# Altium PCB PCB_VHDCI_breakout.PCBDOC (part 1 of 6)
Units mm, origin at the board's own origin, x right, y up, seen from the top; angles counter-clockwise.
Board outline 159.99 x 100 mm, 4 copper layers (TopLayer, Internal Plane 1, Internal Plane 2, BottomLayer), stack 1.622 mm thick; 81 components, 168 nets, 660 pads, 330 vias.
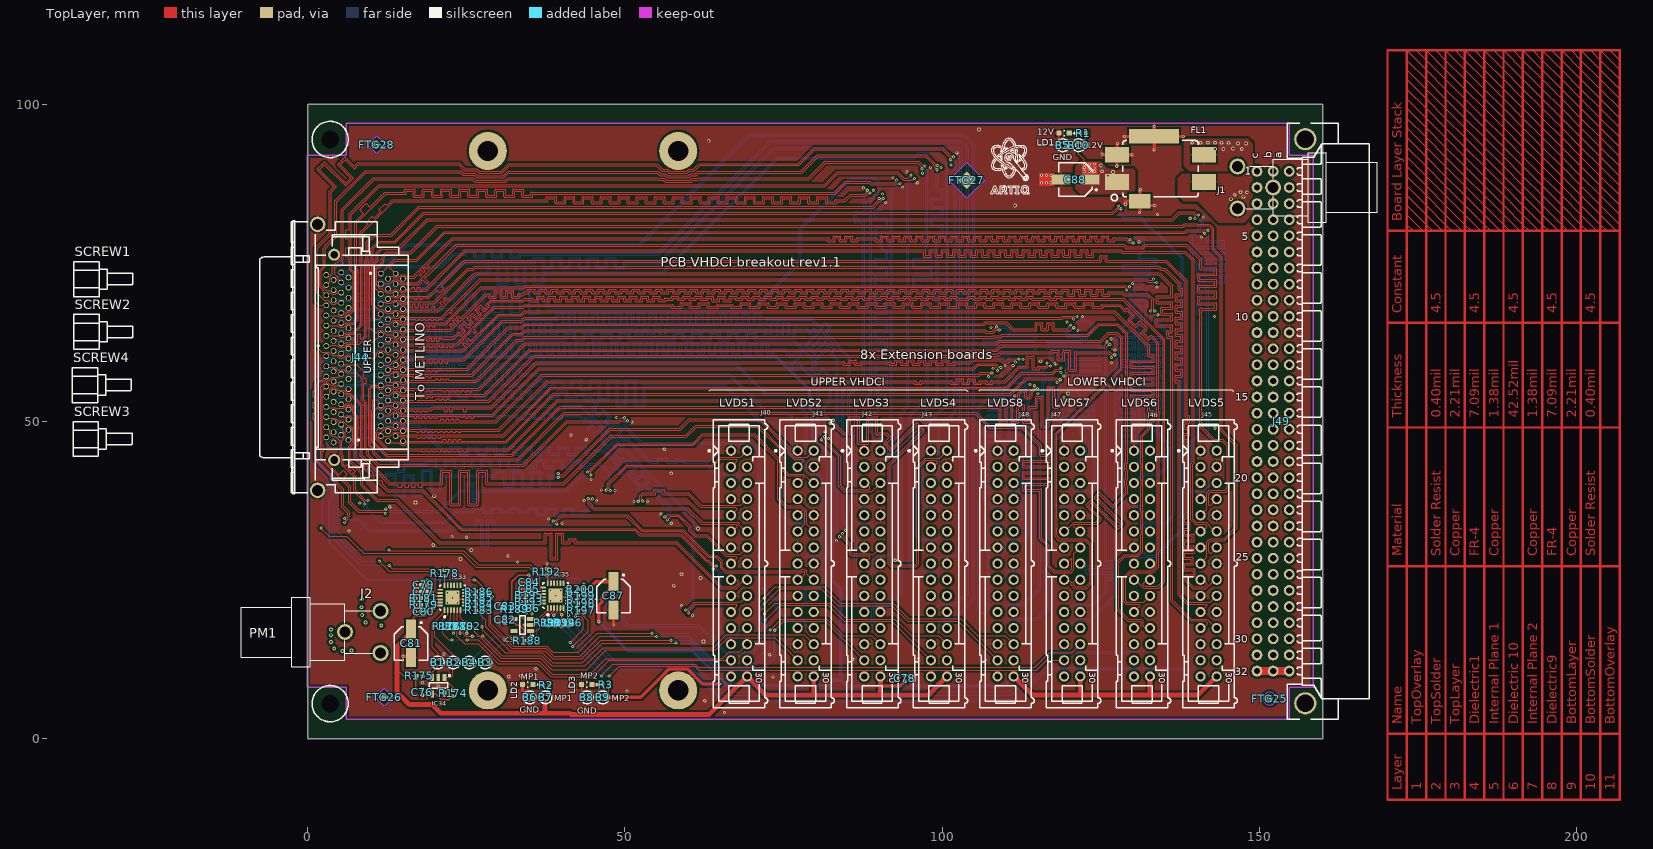
[diagram p0: TopLayer view]
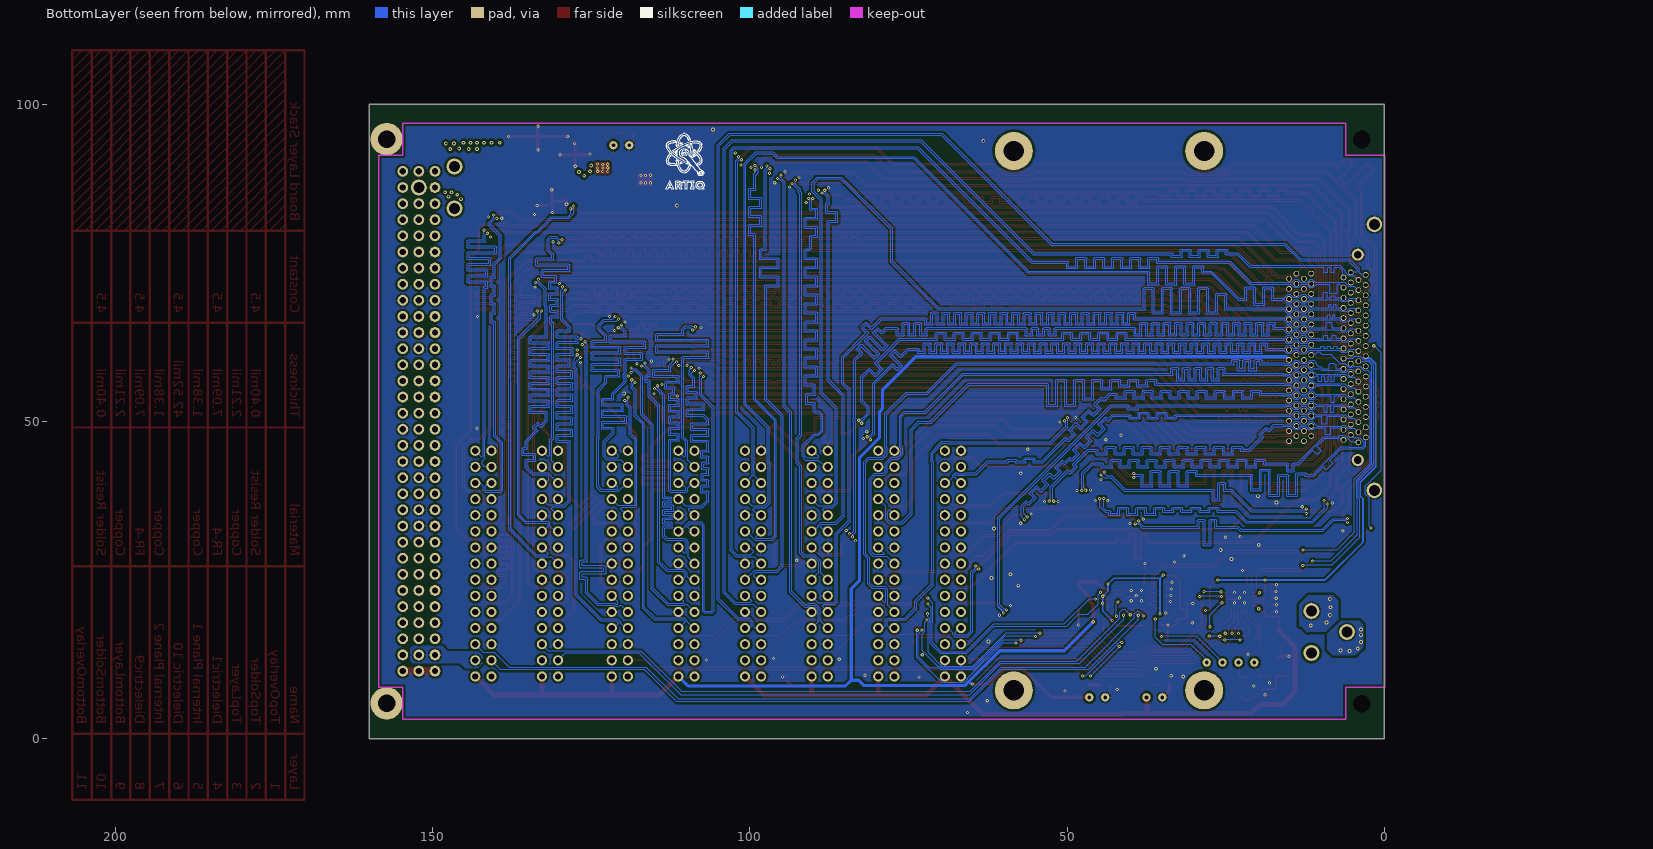
[diagram p1: BottomLayer view, seen from below]
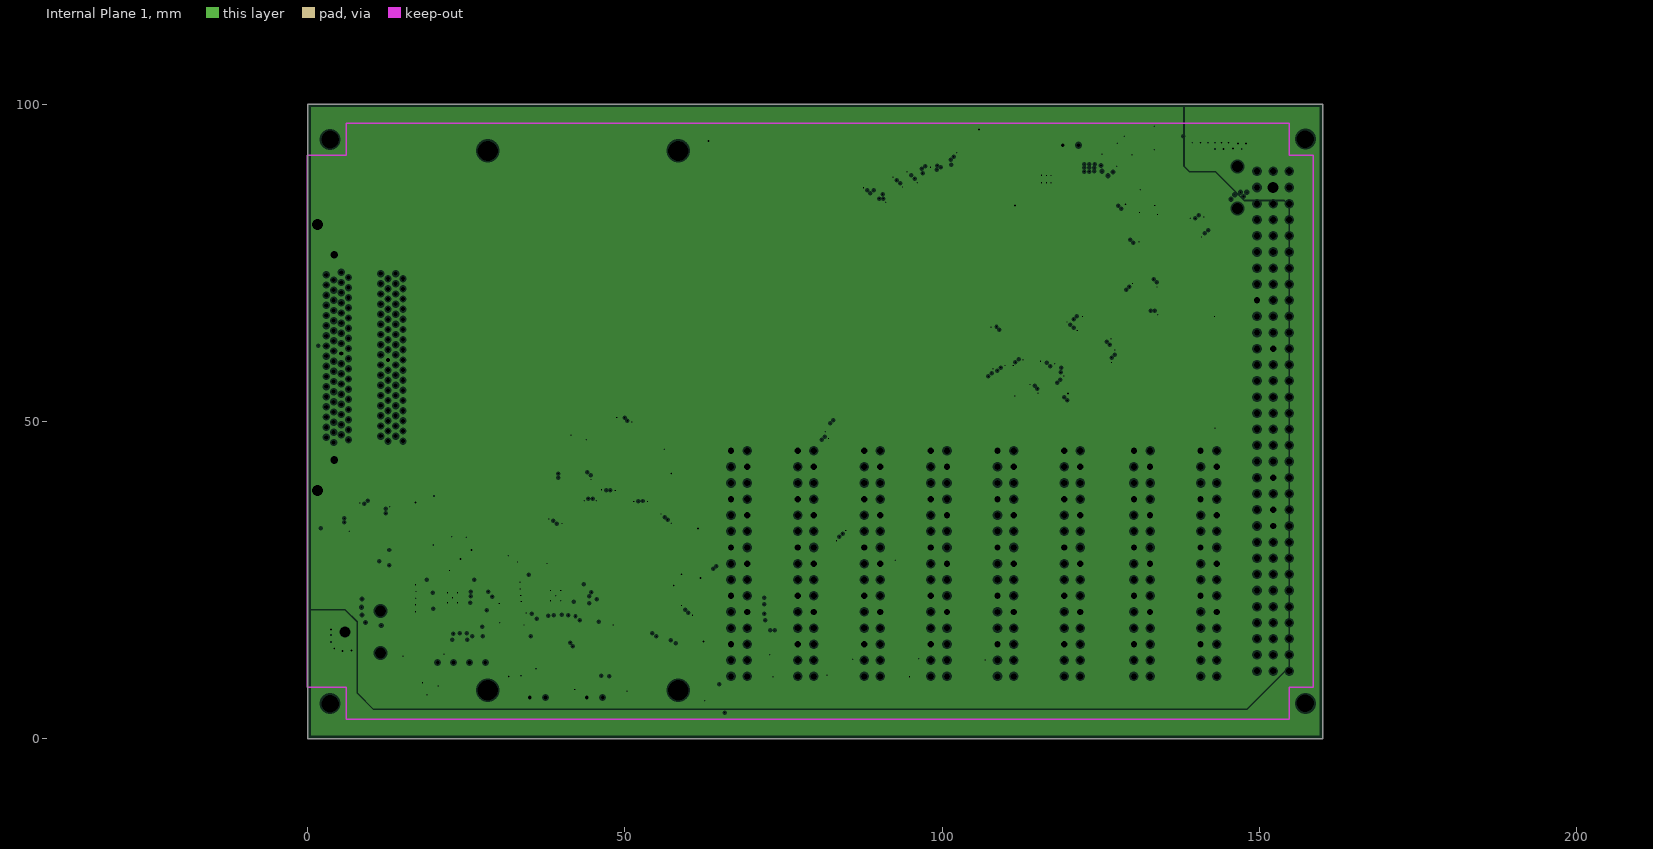
[diagram p2: Internal Plane 1, clearances drawn from the general rule]
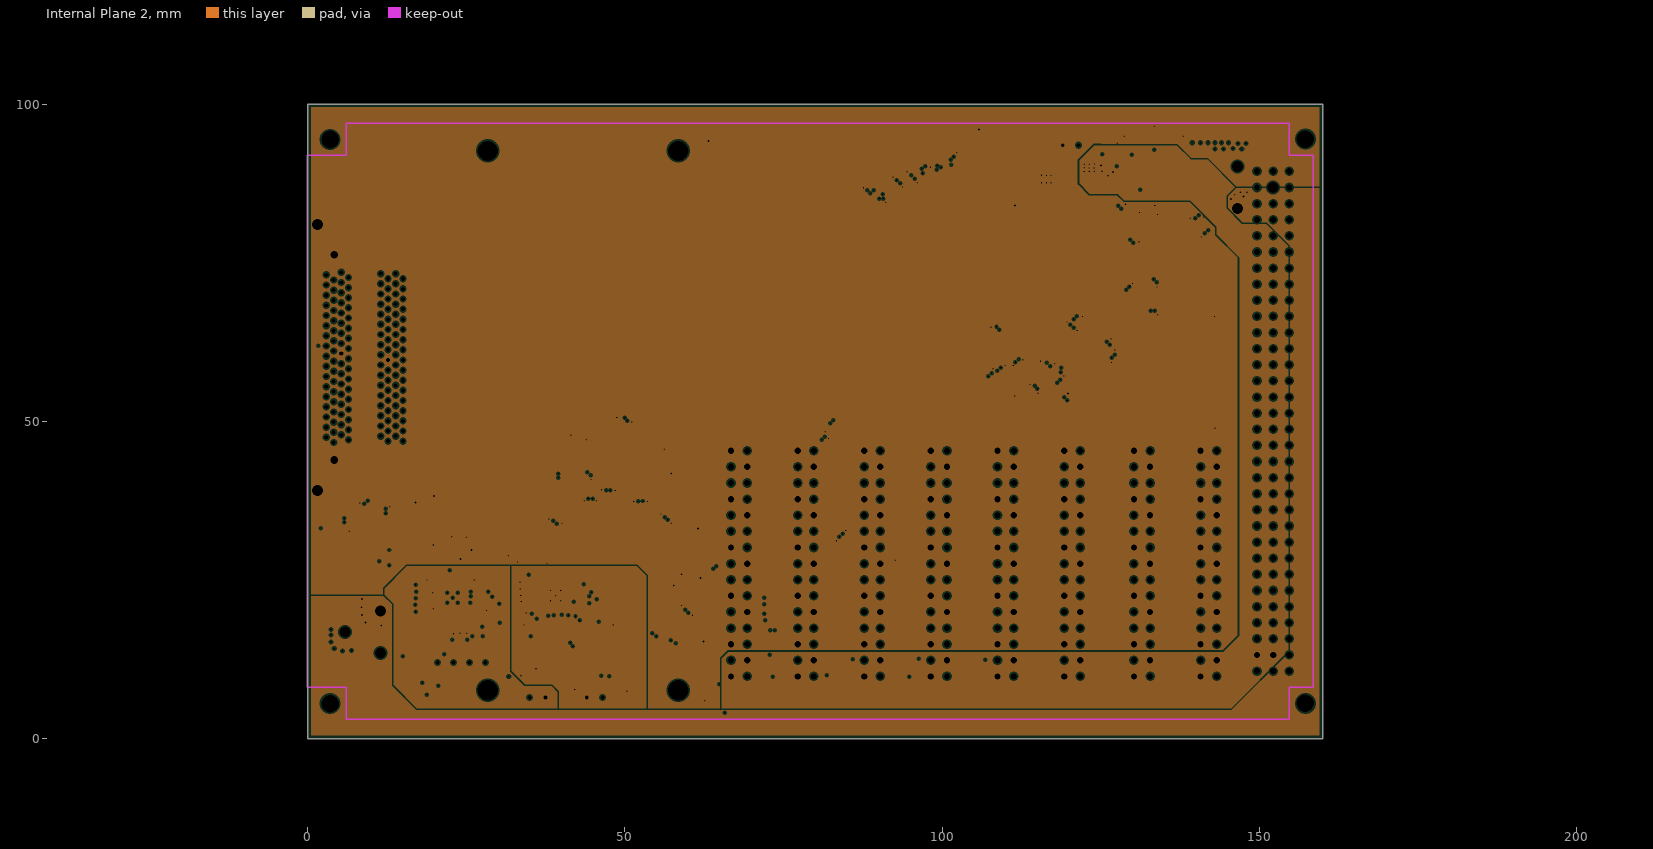
[diagram p3: Internal Plane 2, clearances drawn from the general rule]
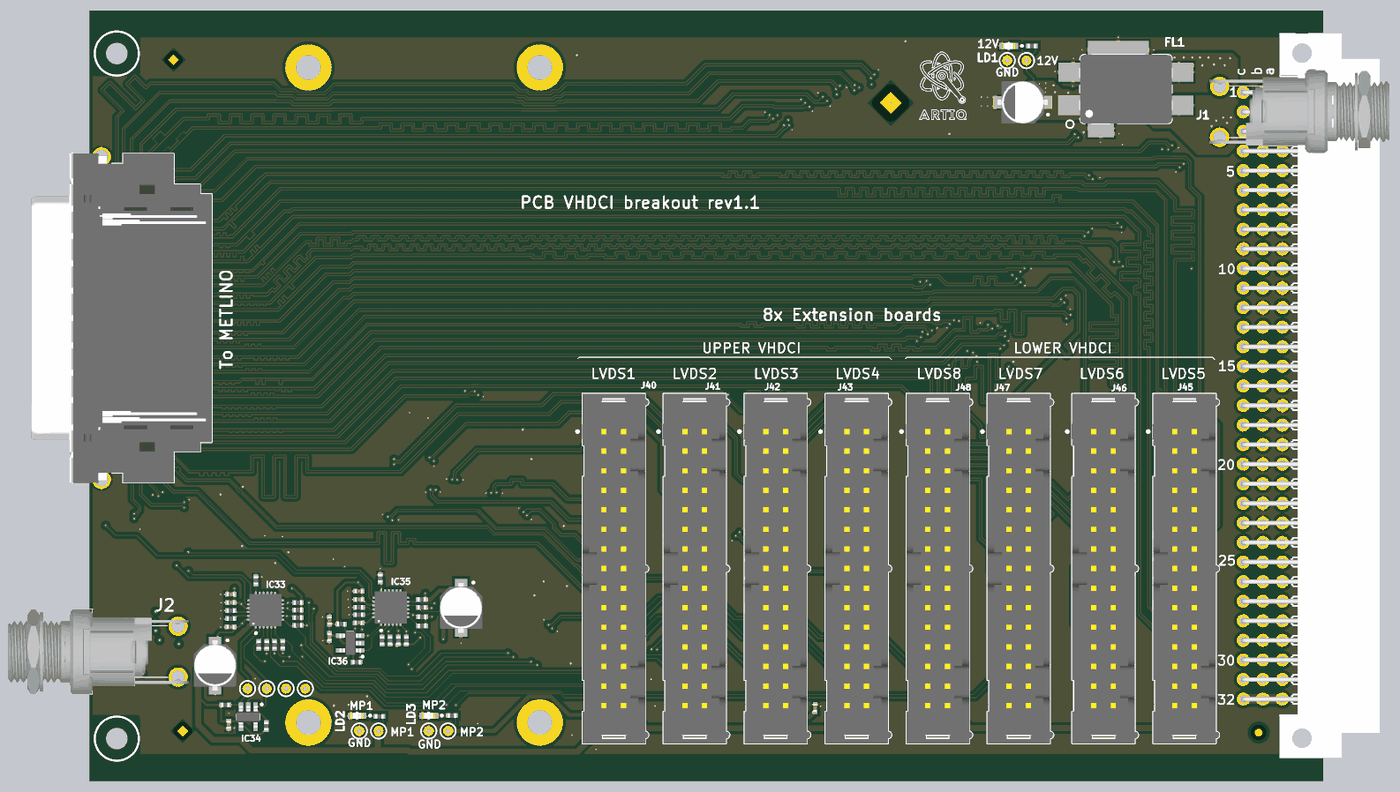
[diagram p9: 3D render of the assembled board from above, using the file's embedded part models]

## Layer stack, top to bottom
TopSolder: solder mask 0.0102, Solder Resist, Dk 4.5
TopLayer: signal copper 0.056
Dielectric1: core 0.18, FR-4, Dk 4.5
Internal Plane 1: plane copper 0.035, net (Multiple Nets)
Dielectric 10: prepreg 1.08, Dk 4.5
Internal Plane 2: plane copper 0.035, net (Multiple Nets)
Dielectric9: core 0.18, FR-4, Dk 4.5
BottomLayer: signal copper 0.056
BottomSolder: solder mask 0.0102, Solder Resist, Dk 4.5

## Board outline
0,0 159.995,0 159.995,100 0,100

## Design rules (kind name [scope] priority, off if disabled: settings)
Clearance Clearance_1 [(InDifferentialPairClass('All Differential Pairs')) vs (InDifferentialPairClass('All Differential Pairs'))] p1 off: gap=0.254 ignorepadtopadclearanceinfootprint=FALSE except(0: Arc-Hole Track-Hole SMDPad-Hole THPad-Hole Via-Hole Fill-Hole Poly-Hole Region-Hole Text-Hole)
Clearance [All] p2: gap=0.127 ignorepadtopadclearanceinfootprint=FALSE except(0: Arc-Hole Track-Hole SMDPad-Hole THPad-Hole Via-Hole Fill-Hole Poly-Hole Region-Hole Text-Hole; 0.381: Arc-Poly Track-Poly SMDPad-Poly THPad-Poly Via-Poly Fill-Poly Poly-Poly)
DiffPairsRouting [All] p1 off: maxlimit=0.762 minlimit=0.127 mostfreqgap=0.152 toplayer_minwidth=0.127 toplayer_maxwidth=0.152 toplayer_prefwidth=0.152 bottomlayer_minwidth=0.127 bottomlayer_maxwidth=0.152 bottomlayer_prefwidth=0.152 maxuncoupledlength=18
FabricationTestPointUsage TestPointUsage [All] p1: valid=0 allowmultiple=FALSE
FabricationTestpoint Testpoint [All] p1: side=3 testpointundercomponent=TRUE minsize=1.016 maxsize=2.54 preferedsize=1.524 minholesize=0.508 maxholesize=1.016 preferedholesize=0.813 testpointgrid=0.025 allowsidetop=TRUE allowsidebottom=TRUE usegrid=TRUE gridtolerance=0
HoleSize [All] p1: absolutevalues=TRUE maxlimit=5.08 minlimit=0.025 maxpercent=80.000 minpercent=20.000
MatchedLengths MatchLengths_xSignals_J44_J48 [InxSignalClass('xSignals_J44_J48_MatchLengthsClass')] p1: tolerance=1.27 checknetsindiffpair=FALSE checkdiffpairvsdiffpair=TRUE checkxsignals=TRUE checkothers=TRUE
MatchedLengths MatchLengths_xSignals_J44_J47 [InxSignalClass('xSignals_J44_J47_MatchLengthsClass')] p2: tolerance=1.27 checknetsindiffpair=FALSE checkdiffpairvsdiffpair=TRUE checkxsignals=TRUE checkothers=TRUE
MatchedLengths MatchLengths_xSignals_J44_J43 [InxSignalClass('xSignals_J44_J43_MatchLengthsClass')] p3: tolerance=1.27 checknetsindiffpair=FALSE checkdiffpairvsdiffpair=TRUE checkxsignals=TRUE checkothers=TRUE
MatchedLengths MatchLengths_xSignals_J44_J42 [InxSignalClass('xSignals_J44_J42_MatchLengthsClass')] p4: tolerance=1.27 checknetsindiffpair=FALSE checkdiffpairvsdiffpair=TRUE checkxsignals=TRUE checkothers=TRUE
MatchedLengths MatchLengths_xSignals_J44_J46 [InxSignalClass('xSignals_J44_J46_MatchLengthsClass')] p5: tolerance=1.27 checknetsindiffpair=FALSE checkdiffpairvsdiffpair=TRUE checkxsignals=TRUE checkothers=TRUE
MatchedLengths MatchLengths_xSignals_J44_J45 [InxSignalClass('xSignals_J44_J45_MatchLengthsClass')] p6: tolerance=1.27 checknetsindiffpair=FALSE checkdiffpairvsdiffpair=TRUE checkxsignals=TRUE checkothers=TRUE
MatchedLengths MatchLengths_xSignals_J44_J41 [InxSignalClass('xSignals_J44_J41_MatchLengthsClass')] p7: tolerance=1.27 checknetsindiffpair=FALSE checkdiffpairvsdiffpair=TRUE checkxsignals=TRUE checkothers=TRUE
MatchedLengths MatchLengths_xSignals_J44_J40 [InxSignalClass('xSignals_J44_J40_MatchLengthsClass')] p8: tolerance=1.27 checknetsindiffpair=FALSE checkdiffpairvsdiffpair=TRUE checkxsignals=TRUE checkothers=TRUE
MinimumSolderMaskSliver [All] p1: minsoldermaskwidth=0
PlaneClearance [All] p1: clearance=0.254
PlaneConnect [All] p1: planeconnectstyle=Direct reliefexpansion=0.508 reliefentries=4 reliefconductorwidth=0.254 reliefairgap=0.254
PolygonConnect PolygonConnect_pad [IsPad] p1: connectstyle=Relief reliefconductorwidth=0.254 reliefentries=4 polygonreliefangle="90 Angle" airgapwidth=0.254
PolygonConnect [All] p2: connectstyle=Direct reliefconductorwidth=0.254 reliefentries=4 polygonreliefangle="90 Angle" airgapwidth=0.254
RoomDefinition PCB_VHDCI_breakout [InComponentClass('PCB_VHDCI_breakout')] p1: confinementstyle=ConfineIn formatcopy=TRUE lockcomponents=FALSE outline 161.036,1.524 0.9,1.524 0.9,98.806 161.036,98.806
RoutingVias [All] p1: holewidth=0.2 width=0.5 viastyle="Through Hole" minholewidth=0.2 minwidth=0.5 maxholewidth=0.711 maxwidth=1.27
SilkToSilkClearance [All] p1: silktosilkclearance=0
SilkToSolderMaskClearance SilkscreenOverComponentPads [IsPad] p1: minsilkscreentomaskgap=0 clearancetoexposedcopper=TRUE
SolderMaskExpansion [All] p1: expansion=0.051
Width [All] p1: maxlimit=4.27 minlimit=0.127 preferedwidth=0.254
21 further rules are at their usual default settings.

## Classes and differential pairs
differential pair LVDS1_1: +LVDS1_1_P -LVDS1_1_N
differential pair LVDS1_2: +LVDS1_2_P -LVDS1_2_N
differential pair LVDS1_3: +LVDS1_3_P -LVDS1_3_N
differential pair LVDS1_4: +LVDS1_4_P -LVDS1_4_N
differential pair LVDS1_5: +LVDS1_5_P -LVDS1_5_N
differential pair LVDS1_6: +LVDS1_6_P -LVDS1_6_N
differential pair LVDS1_7: +LVDS1_7_P -LVDS1_7_N
differential pair LVDS1_8: +LVDS1_8_P -LVDS1_8_N
differential pair LVDS2_1: +LVDS2_1_P -LVDS2_1_N
differential pair LVDS2_2: +LVDS2_2_P -LVDS2_2_N
differential pair LVDS2_3: +LVDS2_3_P -LVDS2_3_N
differential pair LVDS2_4: +LVDS2_4_P -LVDS2_4_N
differential pair LVDS2_5: +LVDS2_5_P -LVDS2_5_N
differential pair LVDS2_6: +LVDS2_6_P -LVDS2_6_N
differential pair LVDS2_7: +LVDS2_7_P -LVDS2_7_N
differential pair LVDS2_8: +LVDS2_8_P -LVDS2_8_N
differential pair LVDS3_1: +LVDS3_1_P -LVDS3_1_N
differential pair LVDS3_2: +LVDS3_2_P -LVDS3_2_N
differential pair LVDS3_3: +LVDS3_3_P -LVDS3_3_N
differential pair LVDS3_4: +LVDS3_4_P -LVDS3_4_N
differential pair LVDS3_5: +LVDS3_5_P -LVDS3_5_N
differential pair LVDS3_6: +LVDS3_6_P -LVDS3_6_N
differential pair LVDS3_7: +LVDS3_7_P -LVDS3_7_N
differential pair LVDS3_8: +LVDS3_8_P -LVDS3_8_N
differential pair LVDS4_1: +LVDS4_1_P -LVDS4_1_N
differential pair LVDS4_2: +LVDS4_2_P -LVDS4_2_N
differential pair LVDS4_3: +LVDS4_3_P -LVDS4_3_N
differential pair LVDS4_4: +LVDS4_4_P -LVDS4_4_N
differential pair LVDS4_5: +LVDS4_5_P -LVDS4_5_N
differential pair LVDS4_6: +LVDS4_6_P -LVDS4_6_N
differential pair LVDS4_7: +LVDS4_7_P -LVDS4_7_N
differential pair LVDS4_8: +LVDS4_8_P -LVDS4_8_N
differential pair LVDS5_1: +LVDS5_1_P -LVDS5_1_N
differential pair LVDS5_2: +LVDS5_2_P -LVDS5_2_N
differential pair LVDS5_3: +LVDS5_3_P -LVDS5_3_N
differential pair LVDS5_4: +LVDS5_4_P -LVDS5_4_N
differential pair LVDS5_5: +LVDS5_5_P -LVDS5_5_N
differential pair LVDS5_6: +LVDS5_6_P -LVDS5_6_N
differential pair LVDS5_7: +LVDS5_7_P -LVDS5_7_N
differential pair LVDS5_8: +LVDS5_8_P -LVDS5_8_N
differential pair LVDS6_1: +LVDS6_1_P -LVDS6_1_N
differential pair LVDS6_2: +LVDS6_2_P -LVDS6_2_N
differential pair LVDS6_3: +LVDS6_3_P -LVDS6_3_N
differential pair LVDS6_4: +LVDS6_4_P -LVDS6_4_N
differential pair LVDS6_5: +LVDS6_5_P -LVDS6_5_N
differential pair LVDS6_6: +LVDS6_6_P -LVDS6_6_N
differential pair LVDS6_7: +LVDS6_7_P -LVDS6_7_N
differential pair LVDS6_8: +LVDS6_8_P -LVDS6_8_N
differential pair LVDS7_1: +LVDS7_1_P -LVDS7_1_N
differential pair LVDS7_2: +LVDS7_2_P -LVDS7_2_N
differential pair LVDS7_3: +LVDS7_3_P -LVDS7_3_N
differential pair LVDS7_4: +LVDS7_4_P -LVDS7_4_N
differential pair LVDS7_5: +LVDS7_5_P -LVDS7_5_N
differential pair LVDS7_6: +LVDS7_6_P -LVDS7_6_N
differential pair LVDS7_7: +LVDS7_7_P -LVDS7_7_N
differential pair LVDS7_8: +LVDS7_8_P -LVDS7_8_N
differential pair LVDS8_1: +LVDS8_1_P -LVDS8_1_N
differential pair LVDS8_2: +LVDS8_2_P -LVDS8_2_N
differential pair LVDS8_3: +LVDS8_3_P -LVDS8_3_N
differential pair LVDS8_4: +LVDS8_4_P -LVDS8_4_N
differential pair LVDS8_5: +LVDS8_5_P -LVDS8_5_N
differential pair LVDS8_6: +LVDS8_6_P -LVDS8_6_N
differential pair LVDS8_7: +LVDS8_7_P -LVDS8_7_N
differential pair LVDS8_8: +LVDS8_8_P -LVDS8_8_N

## Components (designator, comment, footprint, x,y, rotation, side; value= is the part's Value field where it differs from the comment)
B1 "Plated Hole" c130h60 20.5,12 r0 top
B2 "Plated Hole" c130h60 23,12 r0 top
B3 "Plated Hole" c130h60 28,12 r0 top
B4 "Plated Hole" c130h60 25.5,12 r0 top
B5 "Plated Hole" c130h60 119,93.5 r0 top
B6 "Plated Hole" c130h60 35,6.5 r0 top
B7 "Plated Hole" c130h60 37.5,6.5 r0 top
B8 "Plated Hole" c130h60 44,6.5 r0 top
B9 "Plated Hole" c130h60 46.5,6.5 r0 top
B10 "Plated Hole" c130h60 121.5,93.5 r0 top
C76 "100nF" CAPC1005X55N 18.061,7.311 r90 top
C77 "100nF" CAPC1005X55N 18.339,23.166 r0 top
C78 "100nF" CAPC1005X55N 94.1,9.5 r270 top
C79 "100nF" CAPC1005X55N 18.339,24.233 r0 top
C80 "100nF" CAPC1005X55N 18.314,19.991 r0 top
C81 "22uF" CAPAE530X540N 16.3,15 r270 top
C82 "100nF" CAPC1005X55N 31.116,18.696 r90 top
C83 "100nF" CAPC1005X55N 31.141,20.829 r270 top
C84 "100nF" CAPC1005X55N 34.926,24.639 r0 top
C85 "100nF" CAPC1005X55N 34.926,23.573 r0 top
C86 "100nF" CAPC1005X55N 34.9,20.55 r0 top
C87 "22uF" CAPAE530X540N 48.184,22.48 r270 top
C88 "22uF" CAPAE530X540N 121.005,88.079 r180 top
FL1 "10A/50VDC" FIL_MURATA_BNX02 134.4,89.8 r180 top
FTG25 "Use only in PCB" FIDUCIAL_TOP_C100-200 151.6,6.3 r90 top
FTG26 "Use only in PCB" FIDUCIAL_TOP_S100-200 12.1,6.5 r90 top
FTG27 "Use only in PCB" FIDUCIAL_TOP_S200-400 103.9,88 r0 top
FTG28 "Use only in PCB" FIDUCIAL_TOP_S100-200 10.9,93.6 r90 top
IC33 "TCA9548ARGER" QFN50P400X400X100-25N-S220 22.835,22.201 r90 top
IC34 "24AA02E48T-I/OT" SOT95P280X145-5N 20.601,8.353 r270 top
IC35 "TCA9548ARGER" QFN50P400X400X100-25N-S220 39.091,22.531 r90 top
IC36 "24AA02E48T-I/OT" SOT95P280X145-5N 33.833,17.908 r180 top
J1 "Jack" SWITCHCRAFT_L712RA 146.546,83.543 r180 top
J2 "Jack" SWITCHCRAFT_L712RA 11.5,20.1 r0 top locked
J40 "Familly" 3M_N2530-6002RB 67.985,27.576 r270 top locked
J41 "Familly" 3M_N2530-6002RB 78.485,27.576 r270 top locked
J42 "Familly" 3M_N2530-6002RB 88.985,27.576 r270 top locked
J43 "Familly" 3M_N2530-6002RB 99.485,27.576 r270 top locked
J44 "VHDCI" MOLEX_74337-0015 8.985,60.076 r90 top locked
J45 "Familly" 3M_N2530-6002RB 141.985,27.576 r270 top locked
J46 "Familly" 3M_N2530-6002RB 131.485,27.576 r270 top locked
J47 "Familly" 3M_N2530-6002RB 120.485,27.576 r270 top locked
J48 "Familly" 3M_N2530-6002RB 109.985,27.576 r270 top locked
J49 "DNP" "HARTING_09 03 196 2921" 154.686,89.383 r0 top locked
LD1 "Green" LED_KINGBRIGHT_KPH-1608CGCK 119.2,95.4 r180 top
LD2 "Green" LED_KINGBRIGHT_KPH-1608CGCK 34.7,8.5 r180 top
LD3 "Green" LED_KINGBRIGHT_KPH-1608CGCK 44,8.5 r180 top
PM1 "GSM90B12-P1M" DC_DC_GSM90B12-P1M -9.9,16.5 r90 top
R1 "10k" RESC1005X40N 122.2,95.4 r0 top
R2 "510" RESC1005X40N 37.6,8.4 r180 top
R3 "510" RESC1005X40N 47,8.5 r180 top
R174 "2k2" RESC1005X40N 22.938,7.133 r270 top
R175 "2k2" RESC1005X40N 17.63,9.877 r180 top
R176 "2k2" RESC1005X40N 21.946,17.68 r270 top
R177 "2k2" RESC1005X40N 22.988,17.68 r270 top
R178 "0" RESC1005X40N 21.591,26.036 r270 top
R179 "0" RESC1005X40N 18.339,21.083 r0 top
R180 "2k2" RESC1005X40N 24.004,17.68 r270 top
R181 "0" RESC1005X40N 18.339,22.125 r0 top
R182 "2k2" RESC1005X40N 25.07,17.705 r270 top
R183 "2k2" RESC1005X40N 27.026,20.22 r0 top
R184 "2k2" RESC1005X40N 27.026,21.21 r0 top
R185 "2k2" RESC1005X40N 27.026,22.201 r0 top
R186 "2k2" RESC1005X40N 27.026,23.166 r0 top
R188 "2k2" RESC1005X40N 34.646,15.419 r180 top
R189 "2k2" RESC1005X40N 32.64,20.372 r180 top
R190 "2k2" RESC1005X40N 37.948,18.239 r270 top
R191 "2k2" RESC1005X40N 38.99,18.239 r270 top
R192 "0" RESC1005X40N 37.72,26.316 r270 top
R193 "0" RESC1005X40N 34.951,21.591 r0 top
R194 "2k2" RESC1005X40N 40.056,18.239 r270 top
R195 "0" RESC1005X40N 34.951,22.557 r0 top
R196 "2k2" RESC1005X40N 41.098,18.239 r270 top
R197 "2k2" RESC1005X40N 43.13,20.144 r0 top
R198 "2k2" RESC1005X40N 43.13,21.312 r0 top
R199 "2k2" RESC1005X40N 43.104,22.531 r0 top
R200 "2k2" RESC1005X40N 43.079,23.573 r0 top
SCREW1 "71433-0002" MOLEX_71433-0002 -31.6,72.4 r180 top
SCREW2 "71433-0002" MOLEX_71433-0002 -31.6,64.1 r180 top
SCREW3 "71433-0002" MOLEX_71433-0002 -31.7,47.2 r180 top
SCREW4 "71433-0002" MOLEX_71433-0002 -31.8,55.7 r180 top

## Footprints (in the part's own frame and the unit in brackets; to place one, negate y for a bottom-side part, rotate by r counter-clockwise, add the part's x,y. Pads: shape width x height; smd on the part's side, far side on the other; paste and mask are expansions set on the pad)
3M_N2530-6002RB [mm] "30 Contacts - Straight .100\" x .100\" Low Profile Four-Wall Header"
  round 1.6 hole 1: 1(-17.78,-1.27) 2(-17.78,1.27) 3(-15.24,-1.27) 4(-15.24,1.27) 5(-12.7,-1.27) 6(-12.7,1.27) 7(-10.16,-1.27) 8(-10.16,1.27) 9(-7.62,-1.27) 10(-7.62,1.27) 11(-5.08,-1.27) 12(-5.08,1.27) 13(-2.54,-1.27) 14(-2.54,1.27) 15(0,-1.27) 16(0,1.27) 17(2.54,-1.27) 18(2.54,1.27) 19(5.08,-1.27) 20(5.08,1.27) 21(7.62,-1.27) 22(7.62,1.27) 23(10.16,-1.27) 24(10.16,1.27) 25(12.7,-1.27) 26(12.7,1.27) 27(15.24,-1.27) 28(15.24,1.27) 29(17.78,-1.27) 30(17.78,1.27)
  silkscreen extent -22.71,-4.85 22.71,4.52, body extent -22.71,-4.11 22.71,4.52, height 9.91
c130h60 [mm] "Plated Through Hole: Hole Dia.=0.6mm Pad Dia.=1.30mm"
  round 1.3 hole 0.6: 1(0,0)
  silkscreen extent -1,-1 1,1
CAPAE530X540N [mm] "Capacitor, Aluminium Electrolytric, 5.3mm L X 5.3mm W X 5.4mm H, IPC Medium Density"
  rect 3x1.6 smd: 1(-2.25,0) 2(2.25,0)
  silkscreen extent -3.4,-2.65 2.65,2.65, body extent -3.25,-2.75 3.25,2.75, height 5.7
CAPC1005X55N [mm] "Chip Capacitor, Body 1.0x0.55mm, IPC Medium Density"
  rect 0.62x0.62 smd: 1(-0.45,0) 2(0.45,0)
  body extent -0.52,-0.27 0.53,0.28, height 0.55
DC_DC_GSM90B12-P1M [mm] "mains adapter"
FIDUCIAL_TOP_C100-200 [mm] "Round Fiducial Target, Top Layer, 1.0mm, Top Solder 2.0mm, Keepout =2.0mm"
  round 1 smd paste-0.51 mask+0.5: FTG2(0,0)
  TopLayer keep-out circle w0.1: c0,0 r1
FIDUCIAL_TOP_S100-200 [mm] "Square Fiducial Target, Top Layer, 1.0mm, Top Solder 2.0mm, Keepout =2.0mm"
  rect 1x1 smd rot 45 paste-0.51 mask+0.5: 1(0,0)
  TopLayer keep-out region: 1.414,0 0,-1.414 -1.414,0 0,1.414
FIDUCIAL_TOP_S200-400 [mm] "Square Fiducial Target, Top Layer, 2.0mm, Top Solder 4.0mm, Keepout =4.0mm"
  rect 2x2 smd rot 45 paste-0.9 mask+1: 1(0,0)
  TopLayer keep-out region: -2.839,0.011 -0.011,2.839 2.818,0.011 -0.011,-2.818
FIL_MURATA_BNX02 [mm] "Block Type EMIFIL LC Combined Type, BNX02* Series"
  rect 3.8x2.5 smd: 1(-6.85,2.1) 2(6.85,2.1) 3(-6.85,-2.2) 4(6.85,-2.2)
  rect 7.9x2.3 smd: 4(1,-5.1)
  rect 3.4x2.3 smd: 4(3.25,5.1)
  silkscreen extent -5.95,-4.45 7.77,5.05, body extent -6.05,-4.55 6.05,4.55, height 3.1
"HARTING_09 03 196 2921" [mm] "Connector; DIN 41612, Type C, Thru-Hole; Rows a+b+c, 96 Position; Right Angle"
  round 1.7 hole 1: a1(0,0) a2(0,-2.54) a3(0,-5.08) a4(0,-7.62) a5(0,-10.16) a6(0,-12.7) a7(0,-15.24) a8(0,-17.78) a9(0,-20.32) a10(0,-22.86) a11(0,-25.4) a12(0,-27.94) a13(0,-30.48) a14(0,-33.02) a15(0,-35.56) a16(0,-38.1) a17(0,-40.64) a18(0,-43.18) a19(0,-45.72) a20(0,-48.26) a21(0,-50.8) a22(0,-53.34) a23(0,-55.88) a24(0,-58.42) a25(0,-60.96) a26(0,-63.5) a27(0,-66.04) a28(0,-68.58) a29(0,-71.12) a30(0,-73.66) a31(0,-76.2) a32(0,-78.74) b1(-2.54,0) b2(-2.54,-2.54) b3(-2.54,-5.08) b4(-2.54,-7.62) b5(-2.54,-10.16) b6(-2.54,-12.7) b7(-2.54,-15.24) b8(-2.54,-17.78) b9(-2.54,-20.32) b10(-2.54,-22.86) b11(-2.54,-25.4) b12(-2.54,-27.94) b13(-2.54,-30.48) b14(-2.54,-33.02) b15(-2.54,-35.56) b16(-2.54,-38.1) b17(-2.54,-40.64) b18(-2.54,-43.18) b19(-2.54,-45.72) b20(-2.54,-48.26) b21(-2.54,-50.8) b22(-2.54,-53.34) b23(-2.54,-55.88) b24(-2.54,-58.42) b25(-2.54,-60.96) b26(-2.54,-63.5) b27(-2.54,-66.04) b28(-2.54,-68.58) b29(-2.54,-71.12) b30(-2.54,-73.66) b31(-2.54,-76.2) b32(-2.54,-78.74) c1(-5.08,0) c2(-5.08,-2.54) c3(-5.08,-5.08) c4(-5.08,-7.62) c5(-5.08,-10.16) c6(-5.08,-12.7) c7(-5.08,-15.24) c8(-5.08,-17.78) c9(-5.08,-20.32) c10(-5.08,-22.86) c11(-5.08,-25.4) c12(-5.08,-27.94) c13(-5.08,-30.48) c14(-5.08,-33.02) c15(-5.08,-35.56) c16(-5.08,-38.1) c17(-5.08,-40.64) c18(-5.08,-43.18) c19(-5.08,-45.72) c20(-5.08,-48.26) c21(-5.08,-50.8) c22(-5.08,-53.34) c23(-5.08,-55.88) c24(-5.08,-58.42) c25(-5.08,-60.96) c26(-5.08,-63.5) c27(-5.08,-66.04) c28(-5.08,-68.58) c29(-5.08,-71.12) c30(-5.08,-73.66) c31(-5.08,-76.2) c32(-5.08,-78.74)
  round 3.5 / inner round 3.5 / far side round 5.1 hole 2.8: MTG1(2.54,5.08) MTG2(2.54,-83.82)
  silkscreen extent -0.31,-86.32 12.64,7.58, body extent -5.38,-86.37 12.64,7.63, height 9.35
LED_KINGBRIGHT_KPH-1608CGCK [mm] "SMT Green LED, Case 0603, Body L 1.6 x W 0.8mm H 0.65mm"
  rect 0.8x0.8 smd: 1(0.825,0) 2(-0.825,0)
  silkscreen extent -1.83,-0.4 0.08,0.4, body extent -0.8,-0.4 0.8,0.4, height 0.65
MOLEX_71433-0002 [mm] "D-Sub Female Screw Locks : Thread Length= 4.39mm, Thread Size: Socket"
  silkscreen extent -4.04,-2.74 5.26,2.74, body extent -9.01,-2.74 5.26,2.74, height 2.37